# Allegro board WARP7_CPU_REV10_20151109_1600.brd (continued)
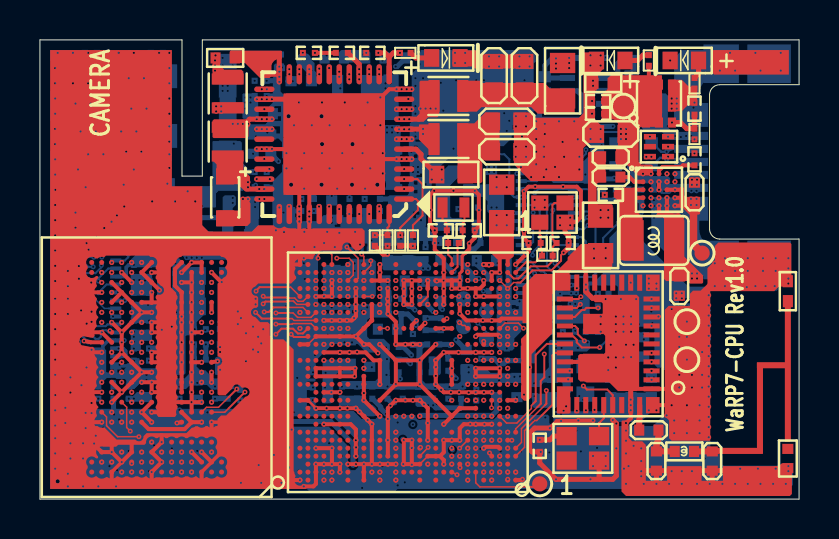
[diagram p0: board, top side]
## Routing (per net, layer and track width the routed paths; a pad name or vN(x,y) marks a point on that pad's centre or on a via; arc(x,y) is an arc through that point) (continued)
  TOP w0.254: C155.2 34.32,1.42 ; C155.2 32.99,1.42 ; C155.2 33.66,0.79 ; Y2.2 26.29,13.36 26.46,13.18 v5(26.46,12.83) 26.46,12.57 26.44,12.57 v5(26.21,12.34) ; 28.07,0.99 28.68,0.99 28.85,1.17 v5(28.85,2.54) v5(28.85,3.78) v5(28.68,3.96) ; 28.07,0.99 27.99,1.07 X1.2 ; 28.07,0.99 v5(27.56,0.99) v5(25.83,0.99) 25.02,1.8 C153.2 24.64,2.36 24.51,2.49 24.51,3.3 24.77,3.56 v5(25.53,3.56) ; 30.2,1.42 C154.2 ; C154.2 31.52,1.42 ; C154.2 30.86,0.79 ; U2.26 v5(11.36,20.03) v5(11.61,20.03) 12.48,20.03 ; v7(27.33,10.49) 27.33,10.39 27.66,10.06 27.84,10.06 ; v5(29.57,4.98) 29.57,5.44
  ART02 w0.076: 15.67,6.86 15.47,6.65 15.47,6.58
  ART02 w0.102: 9.58,14.71 10.41,14.71 10.57,14.55
  GND03 w0.076: 16.31,0.61 16.48,0.43 17.73,0.43 17.88,0.58 ; v3(15.49,0.81) 15.11,0.43 13.67,0.43 13.46,0.64 ; 32.26,15.49 31.88,15.49
  GND03 w0.102: 32.26,15.49 32.28,15.49 32.51,15.54 ; 25.58,22.4 26.75,22.4
  ART04 w0.076: 18.44,6.65 18.31,6.65 18.03,6.38 18.03,6.22
  ART04 w0.102: 11.2,14.73 12.22,15.75 v11(12.57,15.75) ; v12(31.27,14.38) 31.6,14.05 v12(31.6,13.23) 31.67,13.16 31.67,8.94 v12(31.8,8.81) 32.08,8.53 32.08,4.27 v12(31.37,3.56) v12(30.95,3.14) v12(29.95,2.13) v2(29.46,1.65) ; v2(30.1,1.14) v12(30.87,1.92) v12(31.55,2.59) v12(32.61,3.66) 32.74,3.78 32.74,8.99 v12(32.49,9.25) 32.41,9.32 32.41,12.32 32.49,12.4 v12(32.49,12.83) 32.49,13.87 v12(32.46,13.89) ; 33.66,12.47 33.53,12.47 32.94,13.06 32.94,17.5 v3(32.77,17.68)
  ART04 w0.127: 11.2,14.73 3.3,14.73 2.84,14.27 2.57,14.27
  POWER07 w0.076: 17.09,0.64 16.89,0.43 16.41,0.43 16.28,0.56 ; 17.12,0.58 17.27,0.43 17.7,0.43 17.91,0.64 ; 14.27,0.58 14.12,0.43 13.59,0.43 13.44,0.58 ; v3(15.49,0.81) 15.11,0.43 14.71,0.43 14.53,0.61
  GND08 w0.076: 16.38,0.43 17.68,0.43 ; 22.73,12.06 22.61,11.81 ; 13.61,0.43 14.2,0.43 ; 14.68,0.43 15.06,0.43
  ART09 w0.076: 3.68,7.77 3.68,7.04 ; 13.34,1.4 13.41,1.47 13.77,1.47 ; 16.26,2.16 16,2.41 16,2.79
  BOTTOM w0.102: 27.94,18.16 28.17,18.39 29.13,18.39 29.36,18.62 C2.2
  BOTTOM w0.178: 3.61,20.59 v10(3.61,21.04) v10(3.61,21.32) ; J2.13 0.69,12.35 ; 23.54,13.92 J3.20 ; v10(2.81,21.32) v10(2.81,21.04) 2.81,20.59 ; 27.26,15.92 J3.29 25.73,15.92 v6(25.58,16.08) ; 4.01,18.78 v10(4.01,18.05) v10(4.01,17.77) 4.01,17.33 ; J6.1 v10(5.61,21.3) v10(5.61,21.02) 5.61,20.59 ; J2.17 0.64,11.55 ; 4.38,6.67 J2.44 3.79,6.21 ; 2.81,17.31 J6.16 2.81,18.78 ; 5.21,17.31 J6.4 5.21,18.78 ; v1(4.22,7.95) 4.21,7.95 J2.36 3.43,7.95 3.15,7.67 3.15,7.47 ; J2.25 0.63,9.95 ; J2.43 0.62,6.67 ; J2.43 1.19,6.21 ; J2.43 1.74,6.67 ; v6(4.7,11.73) 4.44,11.73 4.32,11.61 4.32,11.25 4.22,11.15 J2.20 ; J2.31 0.65,8.75 ; 23.54,13.12 J3.16 ; J2.23 0.65,10.35 ; 23.54,12.32 J3.12 ; J3.33 27.26,16.72 ; J2.41 0.7,15.23
  BOTTOM w0.203: 10.16,6.99 v6(9.7,6.99) C108.2 ; C108.2 10.13,6.35 ; C108.2 9.7,5.97 ; R35.1 10.03,5.79
  BOTTOM w0.254: R14.1 30.73,15.88 ; 16.26,14 C45.2 ; 31.86,9.22 R32.2 ; R32.2 31.86,10.08 ; R32.2 31.43,9.65 ; 26.7,9.39 J3.41 27.26,9.85 ; v6(16.51,12.49) 16.51,12.93 ; C79.2 C80.2 ; 14.61,9.17 v10(14.61,9.6) ; v10(14.61,9.6) 14.17,9.6 ; v10(14.61,9.6) 15.04,9.6 ; 3.24,15.23 J2.42 3.79,15.68 ; 11.73,5.64 C73.2 11.3,6.07 ; 1.11,19.06 J6.24 1.11,17.31 ; C49.2 17.45,15.03 ; R36.1 10.67,5.91 ; 1.74,15.23 J2.41 1.19,15.68 ; 1.81,22.35 C159.2 ; 13.67,4.52 v10(13.67,4.95) 13.24,4.95 ; 18.59,15.19 v6(18.59,15.62) ; v6(18.59,15.62) 19.02,15.62 ; v6(18.59,15.62) 18.59,16.05 ; C54.2 v6(19.3,12.62) 19.3,13.05 ; 10.31,16.38 v1(10.75,16.38) ; 16.38,9.17 v6(16.38,9.6) ; v6(16.38,9.6) 15.95,9.6 ; v6(16.38,9.6) 16.81,9.6 ; 15.49,14 C44.2 ; C133.2 3.68,4.45 ; 24.1,9.39 J3.42 23.54,9.85 ; 19.02,17.4 v6(18.59,17.4) C30.2 ; 15.49,9.17 v10(15.49,9.6) ; v10(15.49,9.6) 15.06,9.6 ; v10(15.49,9.6) 15.93,9.6 ; J3.44 24.1,18.86 ; J3.44 23.54,18.4 ; J3.44 24.66,18.4 ; 25.01,19.13 R5.1 24.57,19.56 ; 9.97,8.51 v6(9.54,8.51) 9.54,8.94 ; R34.1 22.47,11.16 21.87,11.76 C78.2 ; C30.2 18.59,16.97 ; C30.2 18.59,17.83 ; J3.43 27.26,18.4 ; J3.43 26.15,18.4 ; J3.43 26.7,18.86 ; 15.75,12.93 v6(15.75,12.49) 15.32,12.49 ; 1.11,22.06 J6.23 1.11,20.31 ; C22.2 11.78,15.62 ; 2.49,5.64 C123.2 2.92,6.07 ; 13.24,5.59 v10(13.67,5.59) ; 12.65,14.43 C43.2 ; 13.67,6.78 v10(13.67,6.35) 13.24,6.35 ; C46.2 13.72,15.47 ; v6(11.35,20.95) 11.78,20.95 ; C86.2 v6(20.4,7.26) ; v6(11.35,20.19) 11.78,20.19
  BOTTOM w0.381: 31.42,15.59 J1.5
  vias: v1(0.66,4.65) v1(1.78,7.34) v1(4.45,2.41) v1(7.7,6.99) v1(9,7.75) v1(9.7,17.81) v1(9.65,17.3) v1(18.97,6.99) v1(22.71,13.89) v1(22.96,13.89) v1(23.47,13.94) v1(31.24,15.42) v1(31.5,15.42) v2(0.76,21.59) v2(0.76,20.83) v2(0.76,20.07) v2(0.76,19.3) v2(0.76,18.54) v2(0.76,17.78) v2(0.76,17.02) v2(0.76,16.26) v2(0.76,15.49) v2(0.76,14.73) v2(0.76,13.97) v2(0.76,13.21) v2(0.76,12.45) v2(0.76,11.68) v2(0.76,10.92) v2(0.76,10.03) v2(0.76,9.27) v2(0.76,8.51) v2(0.76,7.75) v2(0.76,6.99) v2(0.76,6.22) v2(0.76,5.21) v2(0.76,4.45) v2(0.76,3.68) v2(0.76,3.05) v2(0.76,2.29) v2(0.76,1.52) v2(0.89,22.35) v2(1.27,4.57) v2(1.27,3.81) v2(1.4,11.43) v2(1.4,10.67) v2(1.4,10.03) v2(1.4,9.27) v2(1.4,1.27) v2(1.4,0.64) v2(1.52,6.1) v2(1.52,5.33) v2(1.52,2.79) v2(1.52,2.03) v2(1.65,22.35) v2(1.65,20.83) v2(1.78,19.81) v2(1.78,14.35) v2(1.78,13.59) v2(2.03,18.41) v2(2.16,2.79) v2(2.16,2.03) v2(2.16,0.64) v2(2.29,4.32) v2(2.29,3.56) v2(2.41,22.35) v2(2.41,20.83) v2(2.41,17.27) v2(2.54,19.81) v2(2.79,18.41) v2(2.79,3.17) v2(2.92,0.64) v2(3.17,22.35) v2(3.17,17.27) v2(3.81,0.64) v2(3.94,22.35) v2(4.06,18.41) v2(4.32,17.4) v2(4.45,21.08) v2(4.57,19.56) v2(4.7,22.35) v2(4.83,18.41) v2(5.08,17.4) v2(5.21,21.08) v2(5.33,19.56) v2(5.97,22.35) v2(6.48,22.35) v2(6.48,21.59) v2(6.48,20.83) v2(6.48,20.07) v2(6.48,19.3) v2(6.48,18.67) v2(6.48,17.91) v2(6.48,17.27) v2(6.48,16.59) v2(30.86,0.76) v2(31.5,0.76) v2(31.62,1.4) v2(32.13,1.4) v2(32.13,0.76) v2(32.64,1.4) v2(32.89,0.76) v2(33.48,10.21) v2(33.48,9.7) v2(33.48,9.19) v2(33.48,8.69) v2(33.48,8.18) v2(33.48,7.67) v2(33.48,7.16) v2(33.48,6.65) v2(33.48,6.15) v2(33.48,5.64) v2(33.48,5.13) v2(33.48,4.62) v2(33.48,4.11) v2(33.48,3.61) v2(33.48,3.1) v2(33.53,0.76) v2(33.78,11.81) v2(33.78,10.67) v2(34.04,21.46) v2(34.16,11.43) v2(34.16,0.76) v2(34.29,12.06) v2(34.29,10.67) v2(34.54,22.35) v2(34.8,21.46) v2(34.8,12.06) v2(34.8,11.43) v2(34.8,10.67) v2(34.8,0.76) v2(35.05,1.52) v2(35.43,12.06) v2(35.43,11.43) v2(35.38,10.62) v2(35.43,0.76) v2(35.81,22.35) v2(35.81,10.67) v2(35.94,1.52) v2(36.07,21.46) v2(36.07,0.76) v2(36.2,12.06) v2(36.2,11.43) v2(36.32,10.67) v2(36.7,0.76) v2(36.83,12.06) v2(36.83,11.43) v2(36.78,10.67) v2(36.83,1.52) v2(37.08,22.35) v2(37.08,21.46) v2(37.34,0.76) v2(37.47,12.06) v2(37.47,11.56) v2(37.47,11.05) v2(37.47,10.79) v2(37.47,1.65) v2(37.47,1.4) v3(1.14,20.19) v3(1.14,19.05) v3(1.27,22.1) v3(1.27,16.89) v3(1.27,16) v3(1.27,14.99) v3(1.27,13.72) v3(1.27,12.45) v3(1.78,3.94) v3(1.78,1.02) v3(2.03,21.21) v3(2.03,19.3) v3(2.16,22.1) v3(2.29,17.78) v3(2.29,16.64) v3(2.29,7.21) v3(2.41,20.32) v3(2.41,14.1) v3(2.67,1.02) v3(2.79,22.1) v3(3.17,21.21) v3(3.3,17.91) v3(3.3,1.02) v3(3.56,22.1) v3(3.63,6.68) v3(3.56,2.79) v3(3.68,20.07) v3(3.68,19.18) v3(4.32,22.1) v3(5.08,15.37) v3(5.33,20.19) v3(5.26,11.4) v3(5.26,10.49) v3(5.46,18.92) v3(5.92,11.4) v3(5.97,18.16) v3(5.97,17.4) v3(6.22,20.45) v3(6.22,19.68) v3(6.22,19.05) v3(6.35,21.97) v3(7.24,10.54) v3(7.75,6.99) v3(8.13,11.05) v3(8.92,7.95) v3(8.97,3.61) v3(9.4,3.61) v3(9.7,19.74) v3(14.35,4.14) v3(14.76,10.16) v3(15.88,22.23) v3(15.9,0.81) v3(17.2,13.23) v3(17.22,5.36) v3(17.35,4.98) v3(17.4,2.34) v3(18.41,2.12) v3(18.54,10.54) v3(18.54,10.11) v3(18.8,5.21) v3(18.8,1.27) v3(18.8,0.76) v3(18.92,2.12) v3(19.35,7.77) v3(19.56,0.74) v3(19.81,1.52) v3(20.07,7.24) v3(20.07,0.74) v3(20.19,11.28) v3(20.19,5.74) v3(20.32,11.81) v3(20.5,9.96) v3(20.57,10.92) v3(21.03,22.1) v3(22.73,21.92) v3(22.99,9.78) v3(22.99,9.27) v3(22.99,8.48) v3(24.08,18.92) v3(24.08,17.4) v3(24.26,21.92) v3(27.69,21.34) v3(27.69,20.32) v3(27.81,21.97) v3(27.81,18.29) v3(28.07,12.93) v3(30.58,16.61) v3(31.19,18.54) v3(31.75,1.02) v3(32.33,16.99) v3(33.02,1.14) v3(33.78,21.97) v3(34.04,11.05) v3(34.54,11.68) v3(34.67,1.14) v3(34.8,11.05) v3(35.31,21.97) v3(35.56,1.14) v3(35.69,11.05) v3(35.81,11.81) v3(36.45,11.05) v3(36.45,1.14) v3(36.58,11.81) v3(36.83,21.97) v4(0.64,9.78) v4(0.69,17.2) v4(1.65,20.27) v4(1.83,2.11) v4(2.54,10.16) v4(2.59,1.6) v4(2.92,20.6) v4(2.97,20.02) v4(3.17,9.53) v4(3.28,6.15) v4(3.35,16.69) v4(3.58,17.58) v4(3.56,0.66) v4(3.96,8.66) v4(4.06,20.68) v4(4.32,3.94) v4(4.6,21.72) v4(4.62,17.65) v4(4.67,15.57) v4(4.78,1.75) v4(4.85,22.17) v4(5.03,9.78) v4(5.05,19.68) v4(5.13,4.95) v4(5.23,21.23) v4(5.41,2.97) v4(5.59,14.99) v4(5.69,1.7) v4(5.84,15.9) v4(6.1,14.5) v4(6.3,15.19) v4(6.35,9.47) v4(6.35,8.71) v4(6.63,1.37) v4(6.86,3.38) v4(7.01,14.99) v4(7.29,15.37) v4(7.32,2.41) v4(7.39,1.37) v4(8.43,9.96) v4(8.43,9.58) v4(8.56,10.34) v4(9.07,1.42) v4(9.22,0.64) v4(9.98,21.01) v4(10.31,22.3) v4(10.54,18.26) v4(10.49,2.18) v4(10.82,21.46) v4(10.77,0.64) v4(11.05,18.52) v4(11.05,17.5) v4(11.2,22.33) v4(11.3,19.28) v4(11.33,16.87) v4(11.89,21.11) v4(12.06,18.64) v4(12.06,17.63) v4(12.09,1.42) v4(12.83,16.23) v4(12.9,21.51) v4(12.95,20.04) v4(13.23,14.07) v4(13.23,3) v4(13.54,20.98) v4(13.74,2.21) v4(14.02,19.89) v4(14.25,14.45) v4(14.27,0.53) v4(14.38,21.16) v4(14.4,7.04) v4(14.48,20.75) v4(14.53,11.79) v4(14.66,10.9) v4(14.96,22.35) v4(15.14,15.47) v4(15.14,14.33) v4(15.14,3.43) v4(15.27,19.66) v4(15.29,7.04) v4(15.54,3.35) v4(15.7,0.53) v4(16.03,15.47) v4(16.18,10.77) v4(16.28,19.41) v4(16.28,18.39) v4(16.64,22.35) v4(16.79,15.21) v4(17.42,16.87) v4(17.45,3.35) v4(17.68,15.85) v4(17.7,12.29) v4(17.7,8.48) v4(17.7,6.2) v4(17.83,14.43) v4(17.83,5.44) v4(17.96,11.02) v4(17.96,7.09) v4(17.96,1.57) v4(17.96,1.19) v4(18.08,9.88) v4(18.08,8.99) v4(18.08,7.59) v4(18.19,20.8) v4(18.31,22.07) v4(18.31,21.44) v4(18.31,19.15) v4(18.44,18.52) v4(18.44,17.88) v4(18.47,14.71) v4(18.59,11.91) v4(18.72,11.15) v4(19.1,3.73) v4(19.35,3.23) v4(19.61,3.86) v4(19.74,3.35) v4(19.86,12.04) v4(20.12,13.82) v4(20.37,14.71) v4(20.75,12.17) v4(20.83,4.17) v4(21.34,15.34) v4(21.51,7.34) v4(21.51,4.24) v4(21.64,3.78) v4(22,16.03) v4(22.15,13.94) v4(22.17,15.52) v4(22.3,5.26) v4(22.4,7.98) v4(22.53,4.55) v4(22.91,7.21) v4(23.04,8.84) v4(23.04,5.31) v4(23.42,10.52) v4(23.42,9.25) v4(23.6,15.77) v4(23.8,11.79) v4(24.43,10.77) v4(24.69,10.01) v4(24.82,12.67) v4(25.2,8.99) v4(25.2,7.59) v4(25.43,22.25) v4(25.5,20.65) v4(25.45,5.18) v4(25.58,10.01) v4(25.58,8.48) v4(26.47,8.74) v4(26.49,7.65) v4(26.57,17.04) v4(26.7,20.35) v4(26.72,4.17) v4(26.95,22.25) v4(27.2,19.58) v4(27.2,17.04) v4(27.23,8.74) v4(27.23,7.29) v4(27.36,8.36) v4(27.71,17.93) v4(27.74,4.29) v4(27.76,19.15) v4(27.84,17.17) v4(28.4,20.75) v4(28.6,16.66) v4(28.73,17.68) v4(28.93,18.16) v4(29.26,4.42) v4(30.02,4.8) v4(30.07,22.23) v4(30.33,20.73) v4(30.28,9.07) v4(30.4,5.44) v4(30.45,21.62) v4(30.48,6.99) v4(30.66,5.18) v4(30.78,8.48) v4(30.76,7.32) v4(31.34,22.28) v4(31.29,20.47) v4(32.21,20.62) v4(32.36,21.74) v4(32.87,15.95) v4(32.87,15.14) v4(33.83,12.37) v4(35.1,12.37) v4(36.37,12.37) v4(37.26,12.24) v4(37.47,11.68) v5(1.95,11.67) v5(1.95,11.04) v5(2.06,9.45) v5(2.08,5.7) v5(2.33,12.82) v5(2.34,8.79) v5(2.33,6.59) v5(2.44,12.5) v5(2.57,10.85) v5(2.58,9.39) v5(2.58,8.88) v5(2.58,7.48) v5(2.58,4.81) v5(2.58,4.31) v5(2.71,2.78) v5(2.82,13.13) v5(3.22,13.58) v5(3.58,13.89) v5(3.59,9.35) v5(3.59,6.35) v5(3.85,14.21) v5(4.09,4.35) v5(4.22,14.66) v5(4.59,9.35) v5(4.59,6.35) v5(4.59,4.85) v5(5.09,7.85) v5(5.62,14.91) v5(6.1,8.48) v5(6.38,15.8) v5(6.76,14.91) v5(7.09,2.35) v5(7.39,15.42) v5(7.77,14.91) v5(8.59,7.85) v5(9.1,10.87) v5(10.06,9.07) v5(10.06,0.81) v5(10.31,8.31) v5(10.31,6.91) v5(10.79,10.03) v5(10.79,9.75) v5(10.85,20.03) v5(10.85,17.53) v5(10.95,1.7) v5(11.1,20.03) v5(11.1,17.53) v5(11.08,7.8) v5(11.08,0.81) v5(11.71,2.21) v5(12.09,0.81) v5(12.22,13.39) v5(12.34,17.33) v5(12.34,16.57) v5(12.47,2.59) v5(12.47,1.58) v5(12.6,3.48) v5(12.72,18.72) v5(12.73,12.62) v5(12.97,19.87) v5(13.1,16.57) v5(13.23,17.33) v5(13.23,15.55) v5(13.24,13.39) v5(13.21,12.06) v5(13.61,18.72) v5(13.74,12.62) v5(13.82,10.95) v5(14.12,19.87) v5(14.12,17.33) v5(14.22,10.16) v5(14.38,13.39) v5(14.5,18.72) v5(14.5,16.57) v5(14.76,12.62) v5(14.88,15.55) v5(15.13,17.33) v5(15.26,19.87) v5(15.51,18.72) v5(15.64,16.57) v5(15.78,13.39) v5(15.88,7.37) v5(16.03,12.75) v5(16.15,17.33) v5(16.33,22.35) v5(16.28,18.72) v5(16.28,15.55) v5(16.4,19.87) v5(16.53,16.57) v5(17.04,20.12) v5(17.04,18.72) v5(17.17,17.33) v5(17.17,16.31) v5(17.4,10.03) v5(18.29,4.95) v5(18.36,17.03) v5(18.61,20.53) v5(18.61,17.03) v5(18.62,2.57) v5(19.41,9.75) v5(19.86,10.92) v5(20.78,22.35) v5(20.78,21.84) v5(21.01,2.15) v5(21.29,22.35) v5(21.29,21.84) v5(21.41,1.75) v5(21.46,5.33) v5(21.54,3.76) v5(22.22,1.75) v5(22.22,1.35) v5(22.48,22.17) v5(22.48,21.67) v5(22.99,22.17) v5(22.99,21.67) v5(23.01,1.75) v5(23.83,19.18) v5(23.83,18.67) v5(23.83,17.65) v5(23.83,17.14) v5(24,22.17) v5(24,21.67) v5(24.13,18.16) v5(24.08,16.64) v5(24.23,5.23) v5(24.33,19.18) v5(24.33,18.67) v5(24.33,17.65) v5(24.33,17.14) v5(24.51,22.17) v5(24.51,21.67) v5(24.51,6.6) v5(24.59,16.13) v5(24.84,18.92) v5(24.84,18.54) v5(24.84,18.03) v5(24.84,17.4) v5(24.84,16.76) v5(24.77,14.99) v5(24.77,14.61) v5(25.07,2.36) v5(25.22,17.65) v5(25.22,17.14) v5(25.22,16.13) v5(25.27,18.8) v5(25.27,18.29) v5(25.35,16.51) v5(25.27,14.99) v5(25.27,14.61) v5(25.78,16.64) v5(25.98,18.92) v5(25.98,16.13) v5(26.04,14.1) v5(26.04,13.72) v5(26.24,17.14) v5(26.54,14.1) v5(26.54,13.72) v5(26.75,18.92) v5(27,17.14) v5(27,16.51) v5(27.33,4.45) v5(27.56,22.23) v5(27.56,21.72) v5(27.64,19.94) v5(27.64,19.3) v5(27.56,18.54) v5(27.56,18.03) v5(27.69,20.95) v5(27.69,20.7) v5(27.74,12.55) v5(27.74,12.06) v5(27.69,2.16) v5(27.69,1.65) v5(28.07,22.23) v5(28.07,21.72) v5(28.07,18.54) v5(28.07,18.03) v5(28.07,9.14) v5(28.07,8.76) v5(28.07,8.38) v5(28.32,12.57) v5(28.32,12.06) v5(28.32,2.16) v5(28.32,1.65) v5(28.83,9.14) v5(28.83,8.76) v5(28.83,8.38) v5(29.21,9.14) v5(29.21,8.76) v5(29.21,8.38) v5(29.24,1.52) v5(29.34,3.43) v5(29.34,2.92) v5(29.34,2.29) v5(29.34,0.76) v5(29.59,9.14) v5(29.59,8.76) v5(29.59,8.38) v5(29.59,7.11) v5(29.72,2.67) v5(30.1,2.54) v5(30.1,1.91) v5(30.1,1.4) v5(30.23,0.76) v5(30.53,18.15) v5(30.48,11.05) v5(30.48,10.79) v5(30.48,10.54) v5(30.48,4.45) v5(30.86,10.79) v5(30.86,10.54) v5(30.86,4.45) v5(31.37,4.19) v5(31.62,9.53) v5(31.62,4.7) v5(31.75,3.94) v5(31.75,3.3) v5(32,8.13) v5(32,7.62) v5(32,6.22) v5(32,5.59) v5(32.26,9.53) v5(32.38,8.89) v5(32.38,8.13) v5(32.38,6.99) v5(32.38,4.7) v5(32.38,3.94) v5(32.38,3.3) v5(32.64,16) v5(32.64,15.75) v5(32.64,6.22) v5(32.64,5.59) v5(32.77,17.32) v5(32.89,16) v5(32.89,15.75) v5(33.02,4.7) v5(33.02,3.94) v5(33.02,3.3) v5(33.15,7.37) v5(33.15,6.22) v5(33.15,5.59) v6(1.52,5.61) v6(1.78,6.56) v6(2.41,4.34) v6(2.51,3.15) v6(2.57,2.54) v6(3.17,3.58) v6(3.48,1.65) v6(3.66,9.14) v6(3.91,10.36) v6(3.86,1.45) v6(3.99,6.73) v6(4.45,5.64) v6(4.7,9.73) v6(4.7,8.94) v6(4.7,6.94) v6(4.67,0.64) v6(4.95,12.7) v6(5.33,12.7) v6(5.33,6.22) v6(5.33,5.97) v6(5.41,9.73) v6(5.46,11.73) v6(5.46,8.94) v6(5.46,7.54) v6(5.71,4.37) v6(5.71,2.69) v6(6.17,11.91) v6(6.17,9.02) v6(6.2,8.36) v6(6.2,7.62) v6(6.2,7.06) v6(6.22,5.64) v6(6.27,9.86) v6(6.99,5.64) v6(6.99,4.47) v6(7.7,7.75) v6(7.87,5.82) v6(8.28,8.46) v6(8.28,2.21) v6(8.38,4.34) v6(8.76,5.64) v6(9.14,22.1) v6(9.14,21.72) v6(9.22,9.91) v6(9.27,11.05) v6(9.35,3.05) v6(9.3,2.18) v6(9.4,5.64) v6(9.6,9.91) v6(9.6,9.53) v6(9.65,22.1) v6(9.65,21.72) v6(10.29,6.88) v6(10.77,18.47) v6(10.82,18.16) v6(10.85,7.21) v6(11.3,5.61) v6(11.38,18.36) v6(11.38,18.11) v6(12.12,21.62) v6(12.06,2.18) v6(12.22,18.11) v6(12.24,17.35) v6(12.19,14.35) v6(12.45,8.13) v6(12.7,4.34) v6(12.88,6.07) v6(13.39,13.54) v6(13.46,17.04) v6(14.35,12.95) v6(14.35,12.57) v6(14.61,18.44) v6(14.61,14.1) v6(14.61,13.84) v6(14.73,15.9) v6(14.86,19.08) v6(14.86,12.95) v6(14.86,12.57) v6(14.99,16.79) v6(15.11,5.64) v6(15.39,22.35) v6(15.62,8.23) v6(15.62,7.85) v6(15.88,5.64) v6(15.88,3.17) v6(16,13.36) v6(15.98,12.95) v6(16.13,18.95) v6(16.21,22.28) v6(16.51,17.55) v6(16.51,7.59) v6(16.64,16.54) v6(16.59,12.95) v6(17.32,7.59) v6(17.35,6.22) v6(17.4,10.79) v6(17.4,10.41) v6(17.37,7.01) v6(17.4,5.64) v6(17.42,3.84) v6(17.48,10.03) v6(17.48,9.27) v6(17.91,3.84) v6(18.41,12.95) v6(18.67,16.64) v6(18.67,16.38) v6(18.67,7.73) v6(18.8,21.08) v6(18.8,20.7) v6(18.8,19.68) v6(18.8,19.3) v6(18.8,18.41) v6(18.8,18.16) v6(18.92,16.64) v6(18.92,16.38) v6(18.92,5.64) v6(19.08,13.97) v6(19.05,10.79) v6(19.18,21.08) v6(19.18,20.7) v6(19.18,19.68) v6(19.18,19.3) v6(19.3,15.77) v6(19.3,10.79) v6(19.43,17.17) v6(19.41,9.04) v6(19.68,18.19) v6(19.79,5.59) v6(19.94,12.83) v6(19.94,10.92) v6(20.07,20.85) v6(20.19,19.46) v6(20.19,10.92) v6(20.5,5.61) v6(20.7,17.55) v6(20.83,20.98) v6(20.95,14.53) v6(21.03,10.97) v6(21.21,18.31) v6(21.16,5.64) v6(21.46,6.6) v6(21.46,6.35) v6(21.84,12.06) v6(21.84,11.81) v6(21.92,14.61) v6(21.97,19.96) v6(22.23,20.98) v6(22.48,16.64) v6(22.48,16.38) v6(22.73,16.64) v6(22.73,16.38) v6(22.65,12.83) v6(23,10.41) v6(23.01,6.2) v6(22.99,5.94) v6(23.24,19.33) v6(23.34,8.89) v6(23.37,18.44) v6(23.39,12.57) v6(23.37,7.54) v6(23.5,18.95) v6(23.52,12.19) v6(23.75,9.42) v6(23.75,6.12) v6(23.88,16.31) v6(24,9.91) v6(24.03,6.15) v6(24.1,12.32) v6(24.21,15.52) v6(24.26,20.98) v6(24.26,19.71) v6(24.26,9.91) v6(24.38,19.33) v6(24.49,9.42) v6(24.74,5.79) v6(25.02,19.58) v6(25.5,6.12) v6(25.68,8.97) v6(25.83,7.57) v6(26.11,7.57) v6(26.29,19.84) v6(26.44,5.44) v6(26.54,19.84) v6(26.54,9.78) v6(26.72,16.71) v6(26.8,9.78) v6(26.92,7.57) v6(27.3,16.26) v6(27.41,7.85) v6(27.48,16.84) v6(27.94,16) v6(27.99,16.59) v6(28.12,17.73) v6(28.75,16.08) v6(29.21,19.18) v6(29.21,18.92) v6(29.24,12.9) v6(29.46,20.07) v6(29.46,19.81) v6(29.46,19.18) v6(29.46,18.92) v6(29.59,16.79) v6(29.59,16.54) v6(29.72,13.21) v6(29.97,13.59) v6(31.62,6.86) v6(31.62,6.35) v6(31.88,9.65) v6(32.13,6.86) v6(32.13,6.35) v6(32.38,3.56) v6(32.61,15.7) v6(32.61,15.44) v6(32.87,15.7) v6(32.87,15.44) v6(33.27,2.03) v7(1.91,16.51) v7(2.29,15.62) v7(4.19,15.75) v7(4.7,16.51) v7(6.6,8.64) v7(9.02,7.62) v7(9.02,7.37) v7(9.02,6.48) v7(9.91,9.4) v7(9.91,8.76) v7(10.67,8.64) v7(10.67,7.49) v7(10.92,8.13) v7(10.92,7.37) v7(11.18,8.51) v7(11.81,13.46) v7(14.22,12.83) v7(14.99,13.34) v7(26.16,17.89) v7(26.92,18.02) v7(27.33,10.74) v7(28.32,10.02) v7(28.45,7.1) v7(28.45,6.46) v7(28.57,7.73) v7(28.83,7.1) v7(28.83,6.59) v7(29.08,10.02) v7(29.21,7.1) v7(29.34,7.73) v7(29.72,7.73) v7(29.84,10.02) v9(13.03,3.76) v9(12.98,2.06) v9(12.98,1.6) v9(13.06,2.9) v9(13.23,2.51) v9(13.39,1.57) v9(13.39,1.09) v9(13.61,3.23) v9(14.05,2.13) v9(14.17,4.95) v9(14.73,4.98) v9(14.91,2.11) v9(15.04,5.77) v9(14.96,2.95) v9(15.19,2.44) v9(15.32,6.25) v9(15.29,4.98) v9(15.39,2.95) v9(15.65,5.18) v9(15.72,5.66) v9(15.85,8.61) v9(15.8,7.67) v9(15.82,6.96) v9(16.08,8.94) v9(16.26,5.69) v9(16.28,2.74) v9(16.38,8.23) v9(16.61,5.71) v9(16.64,5.21) v9(16.76,8.13) v9(17.04,3.76) v9(17.35,8.94) v9(17.73,5.28) v9(18.21,11.71) v9(18.41,9.14) v9(18.44,1.04) v9(18.44,0.66) v9(18.49,9.45) v9(19.41,5.21) v9(19.63,4.9) v9(19.61,1.08) v9(19.71,3.63) v9(19.76,5.41) v9(19.81,3.23) v9(19.94,4.62) v9(19.86,2.77) v9(19.99,1.08) v9(20.19,3.3) v9(20.65,4.5) v9(20.75,3.76) v9(20.98,7.06) v9(21.01,4.06) v9(21.06,4.55) v9(21.44,6.53) v9(21.44,4.52) v9(22.1,8.56) v9(22.43,8.23) v9(22.45,8.56) v9(22.63,5) v9(22.73,8.2) v9(22.91,5.44) v9(23.01,5.77) v10(0.64,20.19) v10(0.64,19.43) v10(0.64,3.15) v10(0.66,3.81) v10(0.69,2.39) v10(0.76,22.23) v10(0.76,1.78) v10(0.89,21.59) v10(0.89,21.21) v10(0.89,20.83) v10(0.98,18.57) v10(0.98,18.19) v10(0.98,17.81) v10(1.09,4.22) v10(1.24,3.3) v10(1.27,21.59) v10(1.27,21.21) v10(1.27,20.83) v10(1.3,2.59) v10(1.3,1.63) v10(1.36,18.57) v10(1.36,18.19) v10(1.36,17.81) v10(1.52,19.68) v10(1.6,0.64) v10(1.73,3.3) v10(1.78,22.1) v10(2.03,20.45) v10(2.03,15.62) v10(2.01,1.57) v10(2.34,0.64) v10(2.44,19.94) v10(2.54,16.13) v10(2.81,21.6) v10(3.17,0.64) v10(3.3,20.32) v10(3.61,21.6) v10(3.71,4.24) v10(3.94,2.84) v10(3.96,3.99) v10(4.37,20.42) v10(4.45,17.27) v10(4.55,16.84) v10(4.83,14.86) v10(4.83,14.61) v10(5.08,1.78) v10(5.21,16.89) v10(5.21,14.86) v10(5.21,14.61) v10(5.46,1.4) v10(5.61,21.56) v10(5.94,16.46) v10(6.14,22.35) v10(6.25,20.07) v10(6.32,21.6) v10(6.3,21.2) v10(6.3,20.81) v10(6.46,18.44) v10(6.46,18.16) v10(6.46,17.88) v10(6.48,17.02) v10(6.6,2.54) v10(7.04,1.37) v10(7.75,13.26) v10(7.87,2.41) v10(8.05,15.49) v10(8.1,14.68) v10(8.15,0.64) v10(8.38,3.43) v10(8.51,13.26) v10(8.84,3.07) v10(9.35,4.01) v10(9.6,1.42) v10(9.65,11.43) v10(9.65,11.05) v10(10.01,3.05) v10(10.41,4.32) v10(10.39,3.89) v10(10.46,11.02) v10(10.74,11.89) v10(10.72,9.63) v10(10.9,3.05) v10(11.1,8.36) v10(11.18,1.42) v10(11.4,2.18) v10(11.53,3.56) v10(11.81,13.34) v10(11.81,12.95) v10(11.94,11.86) v10(11.86,0.64) v10(11.99,11.02) v10(11.96,3) v10(12.19,13.34) v10(12.19,12.95) v10(12.24,7.09) v10(12.32,9.65) v10(12.95,1.42) v10(13.06,2.18) v10(13.11,0.64) v10(13.21,13.21) v10(13.21,11.81) v10(13.26,11.02) v10(13.46,12.9) v10(13.77,12.29) v10(13.77,9.75) v10(13.77,7.21) v10(14.4,8.23) v10(14.48,2.79) v10(15.11,2.16) v10(15.24,8.23) v10(15.24,7.85) v10(16.13,0.56) v10(17.14,1.65) v10(17.91,0.69) v10(18.21,1.4) v10(18.26,0.84) v10(18.57,2.51) v10(19.3,22.23) v10(19.3,21.97) v10(20.32,22.23) v10(21.03,2.26) v10(21.72,22.25) v10(21.72,21.62) v10(21.84,20.98) v10(22.05,2.51) v10(22.99,20.73) v10(22.99,19.96) v10(23.06,2.39) v10(23.37,22.25) v10(23.37,21.49) v10(24.08,2.39) v10(24.64,22.25) v10(24.71,3.91) v10(25.3,4.09) v10(25.5,2.34) v10(25.91,3.43) v10(26.37,2.26) v10(26.85,3.43) v10(27.08,2.39) v10(27.89,2.57) v10(28.09,3.4) v10(28.32,22.12) v10(28.85,3.51) v10(29.21,8.26) v10(29.21,8) v10(29.29,8.89) v10(29.49,6.2) v10(29.46,0.64) v10(29.74,6.2) v10(29.97,8.76) v10(30.35,1.4) v10(30.48,0.76) v10(30.61,9.4) v10(30.66,8.81) v10(31.5,2.41) v10(31.75,0.64) v10(32.89,0.64) v10(33.15,4.19) v10(33.15,3.05) v10(33.45,9.45) v10(33.48,8.84) v10(33.45,8) v10(33.45,7.34) v10(33.45,6.78) v10(33.45,5.99) v10(33.45,5.28) v10(34.01,10.57) v10(34.04,0.76) v10(34.54,10.59) v10(35.15,10.67) v10(35.18,0.76) v10(35.99,10.67) v10(36.96,0.76) v10(37.21,1.14) v10(37.34,1.52) v11(0.89,0.89) v11(12.45,19.18) v11(14.1,19.18) v11(14.12,17.78) v11(14.1,15.75) v11(15.65,17.78) v11(15.62,15.75) v11(16.89,15.75) v12(2.29,15.24) v12(2.67,16.64) v12(4.45,0.64) v12(5.08,0.64) v12(8.76,19.68) v12(8.76,19.05) v12(8.76,18.29) v12(8.76,17.27) v12(8.89,20.07) v12(9.14,17.65) v12(10.03,20.57) v12(10.54,22.23) v12(10.54,21.46) v12(13.46,20.83) v12(14.35,20.7) v12(16.51,13.59) v12(17.48,5.59) v12(17.91,12.45) v12(17.91,11.43) v12(18.11,5.21) v12(18.16,21.34) v12(18.54,22.23) v12(18.8,16.51) v12(18.8,13.72) v12(18.92,15.88) v12(18.87,6.1) v12(19.05,14.22) v12(19.05,12.19) v12(19.3,20.95) v12(19.43,22.23) v12(19.43,18.92) v12(19.41,11.81) v12(19.48,9.14) v12(19.61,8.08) v12(19.81,14.1) v12(20.07,22.23) v12(20.14,10.46) v12(20.19,18.92) v12(20.32,21.34) v12(20.57,20.57) v12(20.57,8.13) v12(20.57,7.11) v12(20.7,13.54) v12(20.65,12.19) v12(20.83,14.22) v12(20.95,5.74) v12(21.08,16.51) v12(21.21,18.92) v12(21.21,13) v12(21.34,15.88) v12(21.34,7.14) v12(21.44,6.25) v12(21.59,6.99) v12(21.72,16.51) v12(21.72,8.51) v12(21.72,7.62) v12(21.84,9.14) v12(22.1,21.21) v12(22.1,20.57) v12(22.61,18.92) v12(23.5,20.57) v12(23.5,18.92) v12(24.89,21.21) v12(25.02,20.57) v12(25.27,22.35) v12(25.27,21.59) v12(26.42,20.57) v12(27.05,22.35) v12(27.05,20.7) v12(28.83,20.83) v12(28.96,22.35) v12(29.08,19.05) v12(29.59,20.19) v12(29.72,21.72) v12(30.23,22.35) v12(30.99,21.08) v12(31.24,22.35) v12(32.27,1.92) v12(32.38,21.34) v12(32.51,22.35) v12(32.51,20.32) v12(32.77,18.92) v12(32.77,18.29) v12(32.78,2.55) v12(33.29,2.17) v12(33.29,1.66) v12(34.05,1.28) v13(0.64,16.51) v13(0.64,13.72) v13(0.64,12.57) v13(0.66,7.59) v13(0.66,6.5) v13(0.71,5.54) v13(0.71,4.78) v13(0.76,15.37) v13(0.76,11.43) v13(0.76,8.64) v13(0.89,10.67) v13(1.02,9.27) v13(0.99,8.26) v13(1.02,6.05) v13(1.52,4.95) v13(1.7,10.24) v13(1.65,4.45) v13(1.8,11.35) v13(1.91,9.32) v13(2.06,5.51) v13(2.41,11.43) v13(2.54,8.89) v13(2.54,5.51) v13(2.64,7.7) v13(2.72,11.94) v13(2.67,10.67) v13(2.87,8.23) v13(3.05,12.83) v13(3.05,8.89) v13(3.05,5.59) v13(3.25,10.87) v13(3.56,4.83) v13(3.81,11.56) v13(4.32,13.46) v13(6.22,13.59) v13(6.6,12.45) v13(7.49,13.97) v13(7.49,12.83) v13(8.64,13.97) v13(8.81,18.59) v13(8.84,17.78) v13(8.86,17.04) v13(9.02,12.32) v13(9.07,17.27) v13(9.65,13.21) v13(10.06,16.43) v13(10.26,20.65) v13(10.34,16) v13(10.36,21.46) v13(10.39,17.6) v13(10.62,21.97) v13(10.57,17.78) v13(10.57,16.46) v13(10.67,13.34) v13(11.81,6.35) v13(13.11,1.04) v13(13.34,1.52) v13(13.46,8) v13(13.59,8.64) v13(13.79,1.73) v13(14.25,1.02) v13(14.45,1.68) v13(14.61,5.08) v13(14.99,4.95) v13(15.11,1.75) v13(15.24,2.77) v13(15.62,10.41) v13(15.62,2.26) v13(15.88,2.77) v13(16.26,1.65) v13(20.32,10.41) v13(20.83,10.54) v13(20.83,3.02) v13(21.46,3.28) v13(21.84,0.74) v13(22.35,1.37) v13(23.5,3.94) v13(23.62,0.74) v13(23.88,3.91) v13(24.26,5.21) v13(24.26,4.57) v13(24.77,0.74) v13(24.89,5.31) v13(25.15,4.67) v13(25.15,1.5) v13(26.16,0.74) v13(27.3,5.56) v13(27.43,0.74) v13(28.07,5.31) v13(28.83,21.59) v13(28.96,11.18) v13(28.96,9.91) v13(28.96,5.31) v13(28.96,0.74) v13(29.21,2.01) v13(29.34,20.7) v13(29.72,9.27) v13(29.72,5.44) v13(29.84,10.41) v13(30.1,6.96) v13(30.86,3.53) v13(31.5,8.76) v13(32.13,7.65) v13(32.11,5.16) v13(32.51,8.76) v13(33.53,10.67) v13(33.66,11.81) v14(32.89,22.23) v14(32.89,20.83) v14(33.4,21.34) v14(34.16,22.35) v14(34.42,21.46) v14(34.92,22.35) v14(35.18,21.46) v14(35.69,21.46) v14(36.32,22.35) v14(36.7,21.46)
